# EAGLE board working (EAGLE 9.6.2), part 21 of 28
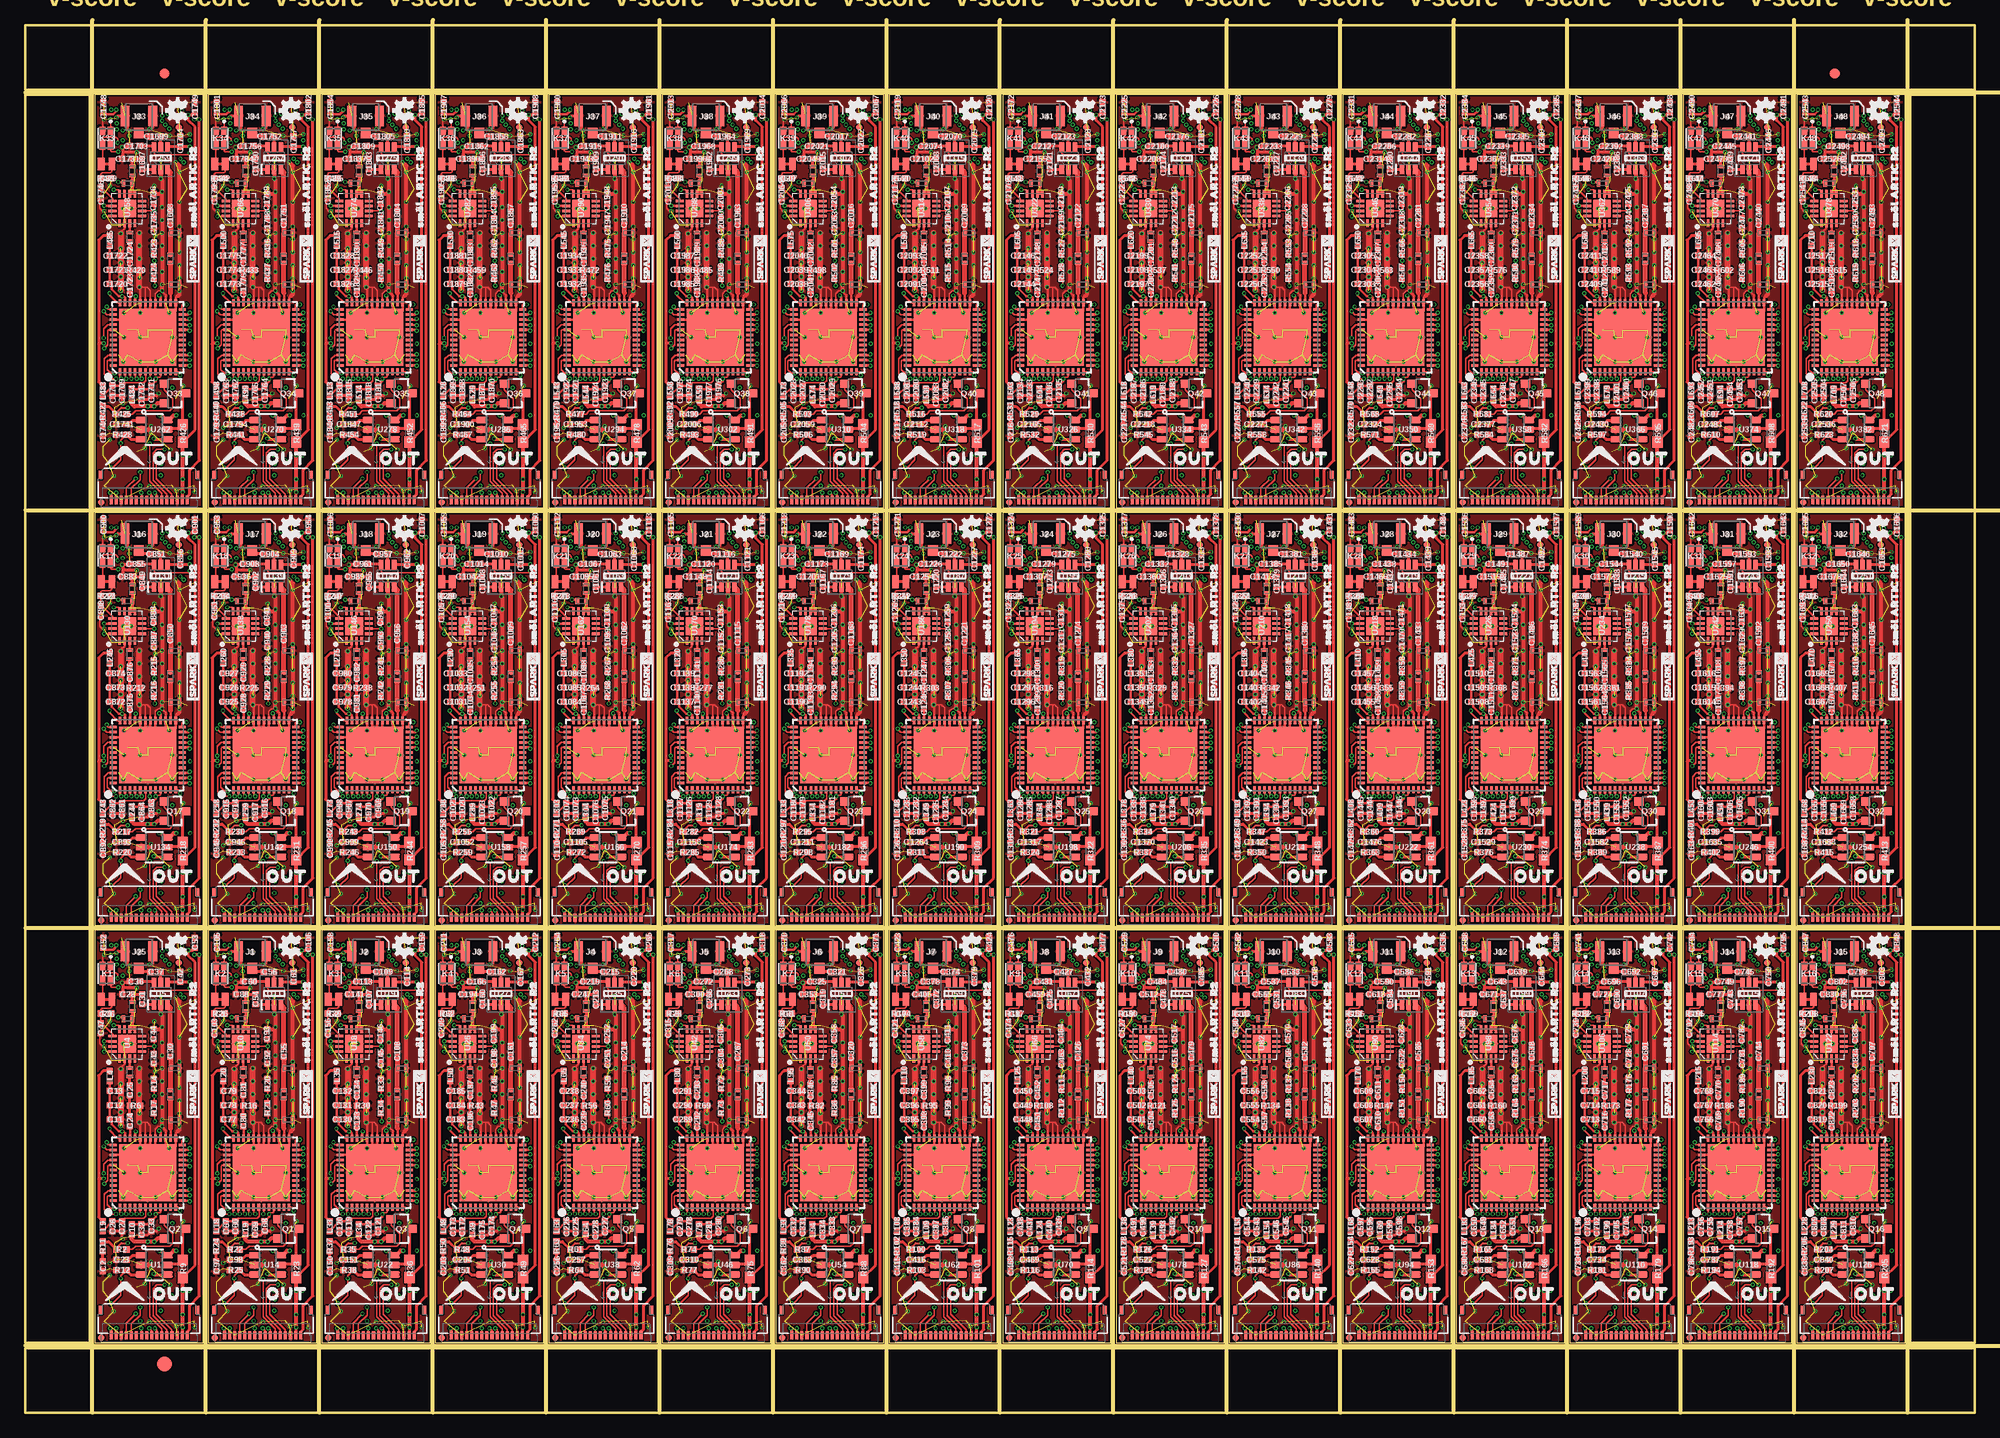
[diagram p0: board, top side]
## Tracks (layer width: path | path; a pad name or v marks a point on that pad's centre or on a via) (continued)
N$310 (continued)
  Top 0.508: C585.1 137.22,39.87 U91.3
N$311
  Top 0.305: U91.5 136.27,43.43 C586.2
N$312  (via drill 0.2)
  Top 0.254: U89.24 138.4,26.77 138.49,26.86 v138.81,26.86
  Bottom 0.305: C593.1 137.41,27.63 137.41,27.42 137.85,26.99 L166.1 v138.81,26.86 138.81,27.44 C592.1
N$313  (via drill 0.2)
  Top 0.254: U89.23 138.88,25.87 138.88,25.88 138.97,25.88 v139.13,26.04
  Bottom 0.305: L167.1 138.43,25.84 138.62,26.04 v139.13,26.04
  Bottom 0.406: C594.1 C595.1 L167.1
N$314
  Top 0.152: U89.6 134.8,20.17 134.8,19.34 134.6,19.14 132.75,19.14 C596.1 | L168.1 130.56,17.88 131.51,18.83 C597.1
  Top 0.254: C597.1 C596.1
N$315  (via drill 0.2)
  Top 0.152: v135.76,19.56 135.76,19.62 135.81,19.67 136.15,19.67 136.25,19.77 U89.9
  Top 0.254: L169.1 C599.1 135,18.53 C598.1 135.76,19.3 v135.76,19.56
  Bottom 0.152: v135.76,19.56 135,18.8 R144.1 R145.2
N$316  (via drill 0.2)
  Top 0.254: U89.35 132.75,27.53 132.59,27.69 v132.46,27.69 132.14,27.69 131.45,28.38 131.45,28.7 C607.1 C608.1 C609.1 L170.1 | U89.28 136.25,27.62 v136.12,27.75 | U89.33 133.75,27.63 v133.81,27.69
  Bottom 0.254: v136.12,27.75 136.06,27.69 v133.81,27.69 v132.46,27.69
N$317  (via drill 0.2)
  Top 0.152: U89.36 131.99,27.02 131.23,27.79 v131.23,27.98
  Bottom 0.254: L171.1 131.57,28.32 v131.23,27.98 131.23,27.96 131.75,27.43 C601.1 131.77,27.3 132.22,26.86 C600.1
N$318  (via drill 0.2)
  Top 0.127: U89.41 131.13,24.37 131.04,24.28 131.04,22.89 v130.7,22.54
  Bottom 0.152: v130.7,22.54 130.7,21.96 R146.1
N$319  (via drill 0.2)
  Top 0.152: U89.40 131.04,24.87 130.65,24.48 v130.65,23.56
  Bottom 0.152: v130.65,23.56 131.44,23.56 C602.1 C603.1 L172.1
N$320  (via drill 0.2)
  Top 0.152: v130.94,26.63 130.94,26.53 131.09,26.37 U89.37
  Bottom 0.152: v130.94,26.63 131.44,26.12 131.95,26.12 132.43,25.64 132.69,25.64 X12.4 134.02,25.3 C605.1 C604.1
N$321
  Bottom 0.152: C606.1 130.71,24.48 131.53,25.3 X12.3
N$322  (via drill 0.2)
  Top 0.152: U89.38 130.94,25.87 130.65,26.17 v130.65,26.21
  Bottom 0.152: v130.65,26.21 130.62,26.18 C606.2
N$323
  Top 0.254: U89.34 133.25,28.17 C610.1
N$324
  Top 0.254: R147.2 | 133.23,31.24 C611.1
  Top 0.305: C610.2 R147.2 | R147.2 133.23,31.24
N$325  (via drill 0.2)
  Top 0.254: v130.68,36.58 U90.14
  Bottom 0.254: L174.P$2 130.7,36.59 v130.68,36.58
N$326
  Bottom 0.254: C616.1 C615.1 R149.1 131.97,37.45 L174.P$1
N$327
  Top 0.305: C611.2 L173.P$1
N$328
  Top 0.254: L173.P$2 U90.3
N$329
  Top 0.254: U90.10 133.48,37.77 U90.9
  Top 0.305: 133.48,38.79 L175.P$2 | 133.48,38.79 133.48,37.77 | L176.P$1 133.48,38.79
N$330
  Top 0.254: C617.P$1 137.24,30.96 137.22,30.94 137.23,30.93 137.24,30.93 | 137.25,28.81 L177.P$2 arc-45 L177.P$2 | U89.26 137.25,27.99 137.24,28
  Top 0.508: 137.24,28 L177.P$2 | L177.P$2 137.23,30.93
N$331  (via drill 0.2)
  Top 0.254: U89.20 139.01,24.37 v139.13,24.26
  Bottom 0.152: C624.1 138.43,22.41 139.44,22.41 139.57,22.54 139.57,23.81 v139.13,24.26
  Bottom 0.254: C624.1 C625.1 L179.1
N$332
  Top 0.305: U94.5 137,14.61 138.03,14.61 R153.1 138.43,17.82 Q12.3
N$333
  Top 0.152: R152.1 133.48,16.07 133.79,16.38 137.16,16.38 137.48,16.7 137.48,17.59 136.6,18.46 Q12.1
N$334  (via drill 0.2)
  Top 0.203: R152.2 131.9,16.2 132.4,16.7 v133.02,16.7
  Top 0.305: v135.57,13.65 135.63,13.59 U94.4 | R154.1 130.61,16.83 131.14,16.83 R152.2
  Bottom 0.203: v135.57,13.65 135.25,13.65 134.49,14.41 134.49,16.32 134.11,16.7 v133.02,16.7
N$335
  Top 0.305: C627.1 R154.2
  Top 0.406: 130.55,15.88 R154.2
N$336
  Top 0.305: U94.1 134.28,15.43 133.47,15.43 133.09,15.05 C628.1
N$337
  Top 0.305: C637.1 146.77,40.2 U99.1
N$338
  Top 0.508: C638.1 148.4,39.87 U99.3
N$339
  Top 0.305: U99.5 147.45,43.43 C639.2
N$340  (via drill 0.2)
  Top 0.254: U97.24 149.58,26.77 149.67,26.86 v149.99,26.86
  Bottom 0.305: C646.1 148.59,27.63 148.59,27.42 149.03,26.99 L181.1 v149.99,26.86 149.99,27.44 C645.1
N$341  (via drill 0.2)
  Top 0.254: U97.23 150.05,25.87 150.06,25.88 150.15,25.88 v150.3,26.04
  Bottom 0.305: L182.1 149.61,25.84 149.8,26.04 v150.3,26.04
  Bottom 0.406: C647.1 C648.1 L182.1
N$342
  Top 0.152: U97.6 145.98,20.17 145.98,19.34 145.78,19.14 143.93,19.14 C649.1 | L183.1 141.73,17.88 142.69,18.83 C650.1
  Top 0.254: C650.1 C649.1
N$343  (via drill 0.2)
  Top 0.152: v146.94,19.56 146.94,19.62 146.99,19.67 147.33,19.67 147.43,19.77 U97.9
  Top 0.254: L184.1 C652.1 146.18,18.53 C651.1 146.94,19.3 v146.94,19.56
  Bottom 0.152: v146.94,19.56 146.18,18.8 R157.1 R158.2
N$344  (via drill 0.2)
  Top 0.254: U97.35 143.93,27.53 143.76,27.69 v143.64,27.69 143.32,27.69 142.63,28.38 142.63,28.7 C660.1 C661.1 C662.1 L185.1 | U97.28 147.43,27.62 v147.3,27.75 | U97.33 144.93,27.63 v144.98,27.69
  Bottom 0.254: v147.3,27.75 147.24,27.69 v144.98,27.69 v143.64,27.69
N$345  (via drill 0.2)
  Top 0.152: U97.36 143.17,27.02 142.4,27.79 v142.4,27.98
  Bottom 0.254: L186.1 142.75,28.32 v142.4,27.98 142.4,27.96 142.93,27.43 C654.1 142.95,27.3 143.39,26.86 C653.1
N$346  (via drill 0.2)
  Top 0.127: U97.41 142.3,24.37 142.22,24.28 142.22,22.89 v141.87,22.54
  Bottom 0.152: v141.87,22.54 141.87,21.96 R159.1
N$347  (via drill 0.2)
  Top 0.152: U97.40 142.22,24.87 141.82,24.48 v141.82,23.56
  Bottom 0.152: v141.82,23.56 142.61,23.56 C655.1 C656.1 L187.1
N$348  (via drill 0.2)
  Top 0.152: v142.11,26.63 142.11,26.53 142.27,26.37 U97.37
  Bottom 0.152: v142.11,26.63 142.62,26.12 143.13,26.12 143.6,25.64 143.87,25.64 X13.4 145.2,25.3 C658.1 C657.1
N$349
  Bottom 0.152: C659.1 141.88,24.48 142.71,25.3 X13.3
N$350  (via drill 0.2)
  Top 0.152: U97.38 142.12,25.87 141.82,26.17 v141.82,26.21
  Bottom 0.152: v141.82,26.21 141.8,26.18 C659.2
N$351
  Top 0.254: U97.34 144.43,28.17 C663.1
N$352
  Top 0.254: R160.2 | C664.1
  Top 0.305: C663.2 R160.2 | R160.2 C664.1
N$353  (via drill 0.2)
  Top 0.254: v141.86,36.58 U98.14
  Bottom 0.254: L189.P$2 141.87,36.59 v141.86,36.58
N$354
  Bottom 0.254: C669.1 C668.1 R162.1 143.15,37.45 L189.P$1
N$355
  Top 0.305: C664.2 L188.P$1
N$356
  Top 0.254: L188.P$2 U98.3
N$357
  Top 0.254: U98.10 144.65,37.77 U98.9
  Top 0.305: 144.65,38.79 L190.P$2 | 144.65,38.79 144.65,37.77 | L191.P$1 144.65,38.79
N$358
  Top 0.254: C670.P$1 148.41,30.96 148.4,30.94 148.41,30.93 | 148.43,28.81 L192.P$2 arc-45 L192.P$2 | U97.26 148.43,27.99 148.41,28
  Top 0.508: 148.41,28 L192.P$2 | L192.P$2 148.41,30.93
N$359  (via drill 0.2)
  Top 0.254: U97.20 150.19,24.37 v150.3,24.26
  Bottom 0.152: C677.1 149.61,22.41 150.61,22.41 150.75,22.54 150.75,23.81 v150.3,24.26
  Bottom 0.254: C677.1 C678.1 L194.1
N$360
  Top 0.305: U102.5 148.18,14.61 149.2,14.61 R166.1 149.61,17.82 Q13.3
N$361
  Top 0.152: R165.1 144.65,16.07 144.97,16.38 148.34,16.38 148.65,16.7 148.65,17.59 147.78,18.46 Q13.1
N$362  (via drill 0.2)
  Top 0.203: R165.2 143.07,16.2 143.57,16.7 v144.2,16.7
  Top 0.305: v146.75,13.65 146.81,13.59 U102.4 | R167.1 141.79,16.83 142.31,16.83 R165.2
  Bottom 0.203: v146.75,13.65 146.43,13.65 145.67,14.41 145.67,16.32 145.29,16.7 v144.2,16.7
N$363
  Top 0.305: C680.1 R167.2
  Top 0.406: 141.72,15.88 R167.2
N$364
  Top 0.305: U102.1 145.45,15.43 144.65,15.43 144.26,15.05 C681.1
N$365
  Top 0.305: C690.1 157.94,40.2 U107.1
N$366
  Top 0.508: C691.1 159.58,39.87 U107.3
N$367
  Top 0.305: U107.5 158.62,43.43 C692.2
N$368  (via drill 0.2)
  Top 0.254: U105.24 160.75,26.77 160.85,26.86 v161.16,26.86
  Bottom 0.305: C699.1 159.77,27.63 159.77,27.42 160.2,26.99 L196.1 v161.16,26.86 161.16,27.44 C698.1
N$369  (via drill 0.2)
  Top 0.254: U105.23 161.23,25.87 161.23,25.88 161.32,25.88 v161.48,26.04
  Bottom 0.305: L197.1 160.78,25.84 160.97,26.04 v161.48,26.04
  Bottom 0.406: C700.1 C701.1 L197.1
N$370
  Top 0.152: U105.6 157.15,20.17 157.15,19.34 156.95,19.14 155.1,19.14 C702.1 | L198.1 152.91,17.88 153.86,18.83 C703.1
  Top 0.254: C703.1 C702.1
N$371  (via drill 0.2)
  Top 0.152: v158.12,19.56 158.12,19.62 158.16,19.67 158.5,19.67 158.6,19.77 U105.9
  Top 0.254: L199.1 C705.1 157.35,18.53 C704.1 158.12,19.3 v158.12,19.56
  Bottom 0.152: v158.12,19.56 157.36,18.8 R170.1 R171.2
N$372  (via drill 0.2)
  Top 0.254: U105.35 155.1,27.53 154.94,27.69 v154.81,27.69 154.49,27.69 153.81,28.38 153.81,28.7 C713.1 C714.1 C715.1 L200.1 | U105.28 158.6,27.62 v158.48,27.75 | U105.33 156.1,27.63 v156.16,27.69
  Bottom 0.254: v158.48,27.75 158.41,27.69 v156.16,27.69 v154.81,27.69
N$373  (via drill 0.2)
  Top 0.152: U105.36 154.34,27.02 153.58,27.79 v153.58,27.98
  Bottom 0.254: L201.1 153.92,28.32 v153.58,27.98 153.58,27.96 154.11,27.43 C707.1 154.12,27.3 154.57,26.86 C706.1
N$374  (via drill 0.2)
  Top 0.127: U105.41 153.48,24.37 153.39,24.28 153.39,22.89 v153.05,22.54
  Bottom 0.152: v153.05,22.54 153.05,21.96 R172.1
N$375  (via drill 0.2)
  Top 0.152: U105.40 153.4,24.87 153,24.48 v153,23.56
  Bottom 0.152: v153,23.56 153.79,23.56 C708.1 C709.1 L202.1
N$376  (via drill 0.2)
  Top 0.152: v153.29,26.63 153.29,26.53 153.44,26.37 U105.37
  Bottom 0.152: v153.29,26.63 153.8,26.12 154.3,26.12 154.78,25.64 155.05,25.64 X14.4 156.38,25.3 C711.1 C710.1
N$377
  Bottom 0.152: C712.1 153.06,24.48 153.88,25.3 X14.3
N$378  (via drill 0.2)
  Top 0.152: U105.38 153.3,25.87 153,26.17 v153,26.21
  Bottom 0.152: v153,26.21 152.97,26.18 C712.2
N$379
  Top 0.254: U105.34 155.6,28.17 C716.1
N$380
  Top 0.254: R173.2 | C717.1
  Top 0.305: C716.2 R173.2 | R173.2 C717.1
N$381  (via drill 0.2)
  Top 0.254: v153.03,36.58 U106.14
  Bottom 0.254: L204.P$2 153.05,36.59 v153.03,36.58
N$382
  Bottom 0.254: C722.1 C721.1 R175.1 154.33,37.45 L204.P$1
N$383
  Top 0.305: C717.2 L203.P$1
N$384
  Top 0.254: L203.P$2 U106.3
N$385
  Top 0.254: U106.10 155.83,37.77 U106.9
  Top 0.305: 155.83,38.79 L205.P$2 | 155.83,38.79 155.83,37.77 | L206.P$1 155.83,38.79
N$386
  Top 0.254: C723.P$1 159.59,30.96 159.58,30.94 159.59,30.93 | 159.6,28.81 L207.P$2 arc-45 L207.P$2 | U105.26 159.6,27.99 159.59,28
  Top 0.508: 159.59,28 L207.P$2 | L207.P$2 159.59,30.93
N$387  (via drill 0.2)
  Top 0.254: U105.20 161.37,24.37 v161.48,24.26
  Bottom 0.152: C730.1 160.78,22.41 161.79,22.41 161.93,22.54 161.93,23.81 v161.48,24.26
  Bottom 0.254: C730.1 C731.1 L209.1
N$388
  Top 0.305: U110.5 159.35,14.61 160.38,14.61 R179.1 160.78,17.82 Q14.3
N$389
  Top 0.152: R178.1 155.83,16.07 156.15,16.38 159.51,16.38 159.83,16.7 159.83,17.59 158.96,18.46 Q14.1
N$390  (via drill 0.2)
  Top 0.203: R178.2 154.25,16.2 154.75,16.7 v155.37,16.7
  Top 0.305: v157.92,13.65 157.99,13.59 U110.4 | R180.1 152.96,16.83 153.49,16.83 R178.2
  Bottom 0.203: v157.92,13.65 157.61,13.65 156.84,14.41 156.84,16.32 156.46,16.7 v155.37,16.7
N$391
  Top 0.305: C733.1 R180.2
  Top 0.406: 152.9,15.88 R180.2
N$392
  Top 0.305: U110.1 156.63,15.43 155.82,15.43 155.44,15.05 C734.1
N$393
  Top 0.305: C743.1 169.12,40.2 U115.1
N$394
  Top 0.508: C744.1 170.75,39.87 U115.3
N$395
  Top 0.305: U115.5 169.8,43.43 C745.2
N$396  (via drill 0.2)
  Top 0.254: U113.24 171.93,26.77 172.02,26.86 v172.34,26.86
  Bottom 0.305: C752.1 170.94,27.63 170.94,27.42 171.38,26.99 L211.1 v172.34,26.86 172.34,27.44 C751.1
N$397  (via drill 0.2)
  Top 0.254: U113.23 172.4,25.87 172.41,25.88 172.5,25.88 v172.66,26.04
  Bottom 0.305: L212.1 171.96,25.84 172.15,26.04 v172.66,26.04
  Bottom 0.406: C753.1 C754.1 L212.1
N$398
  Top 0.152: U113.6 168.33,20.17 168.33,19.34 168.13,19.14 166.28,19.14 C755.1 | L213.1 164.08,17.88 165.04,18.83 C756.1
  Top 0.254: C756.1 C755.1
N$399  (via drill 0.2)
  Top 0.152: v169.29,19.56 169.29,19.62 169.34,19.67 169.68,19.67 169.78,19.77 U113.9
  Top 0.254: L214.1 C758.1 168.53,18.53 C757.1 169.29,19.3 v169.29,19.56
  Bottom 0.152: v169.29,19.56 168.53,18.8 R183.1 R184.2
N$400  (via drill 0.2)
  Top 0.254: U113.35 166.28,27.53 166.12,27.69 v165.99,27.69 165.67,27.69 164.98,28.38 164.98,28.7 C766.1 C767.1 C768.1 164.79,32.64 L215.1 | U113.28 169.78,27.62 v169.65,27.75 | U113.33 167.28,27.63 v167.34,27.69
  Bottom 0.254: v169.65,27.75 169.59,27.69 v167.34,27.69 v165.99,27.69
N$401  (via drill 0.2)
  Top 0.152: U113.36 165.52,27.02 164.75,27.79 v164.75,27.98
  Bottom 0.254: L216.1 165.1,28.32 v164.75,27.98 164.75,27.96 165.28,27.43 C760.1 165.3,27.3 165.74,26.86 C759.1
N$402  (via drill 0.2)
  Top 0.127: U113.41 164.66,24.37 164.57,24.28 164.57,22.89 v164.22,22.54
  Bottom 0.152: v164.22,22.54 164.22,21.96 R185.1
N$403  (via drill 0.2)
  Top 0.152: U113.40 164.57,24.87 164.18,24.48 v164.18,23.56
  Bottom 0.152: v164.18,23.56 164.97,23.56 C761.1 C762.1 L217.1
N$404  (via drill 0.2)
  Top 0.152: v164.47,26.63 164.47,26.53 164.62,26.37 U113.37
  Bottom 0.152: v164.47,26.63 164.97,26.12 165.48,26.12 165.95,25.64 166.22,25.64 X15.4 167.55,25.3 C764.1 C763.1
N$405
  Bottom 0.152: C765.1 164.24,24.48 165.06,25.3 X15.3
N$406  (via drill 0.2)
  Top 0.152: U113.38 164.47,25.87 164.17,26.17 v164.17,26.21
  Bottom 0.152: v164.17,26.21 164.15,26.18 C765.2
N$407
  Top 0.254: U113.34 166.78,28.17 C769.1
N$408
  Top 0.254: R186.2 | 166.76,31.24 C770.1
  Top 0.305: C769.2 R186.2 | R186.2 166.76,31.24
N$409  (via drill 0.2)
  Top 0.254: v164.21,36.58 U114.14
  Bottom 0.254: L219.P$2 164.22,36.59 v164.21,36.58
N$410
  Bottom 0.254: C775.1 C774.1 R188.1 165.5,37.45 L219.P$1
N$411
  Top 0.305: C770.2 L218.P$1
N$412
  Top 0.254: L218.P$2 U114.3
N$413
  Top 0.254: U114.10 167,37.77 U114.9
  Top 0.305: 167,38.79 L220.P$2 | 167,38.79 167,37.77 | L221.P$1 167,38.79
N$414
  Top 0.254: C776.P$1 170.76,30.96 170.75,30.94 170.76,30.93 | 170.78,28.81 L222.P$2 arc-45 L222.P$2 | U113.26 170.78,27.99 170.76,28
  Top 0.508: 170.76,28 L222.P$2 | L222.P$2 170.76,30.93
N$415  (via drill 0.2)
  Top 0.254: U113.20 172.54,24.37 v172.66,24.26
  Bottom 0.152: C783.1 171.96,22.41 172.97,22.41 173.1,22.54 173.1,23.81 v172.66,24.26
  Bottom 0.254: C783.1 C784.1 L224.1
N$416
  Top 0.305: U118.5 170.53,14.61 171.55,14.61 R192.1 171.96,17.82 Q15.3
N$417
  Top 0.152: R191.1 167,16.07 167.32,16.38 170.69,16.38 171.01,16.7 171.01,17.59 170.13,18.46 Q15.1
N$418  (via drill 0.2)
  Top 0.203: R191.2 165.43,16.2 165.93,16.7 v166.55,16.7
  Top 0.305: v169.1,13.65 169.16,13.59 U118.4 | R193.1 164.14,16.83 164.66,16.83 R191.2
  Bottom 0.203: v169.1,13.65 168.78,13.65 168.02,14.41 168.02,16.32 167.64,16.7 v166.55,16.7
N$419
  Top 0.305: C786.1 R193.2
  Top 0.406: 164.08,15.88 R193.2
N$420
  Top 0.305: U118.1 167.8,15.43 167,15.43 166.62,15.05 C787.1
N$421
  Top 0.305: C796.1 180.3,40.2 U123.1
N$422
  Top 0.508: C797.1 181.93,39.87 U123.3
N$423
  Top 0.305: U123.5 180.97,43.43 C798.2
N$424  (via drill 0.2)
  Top 0.254: U121.24 183.11,26.77 183.2,26.86 v183.52,26.86
  Bottom 0.305: C805.1 182.12,27.63 182.12,27.42 182.55,26.99 L226.1 v183.52,26.86 183.52,27.44 C804.1
N$425  (via drill 0.2)
  Top 0.254: U121.23 183.58,25.87 183.59,25.88 183.68,25.88 v183.83,26.04
  Bottom 0.305: L227.1 183.13,25.84 183.32,26.04 v183.83,26.04
  Bottom 0.406: C806.1 C807.1 L227.1
N$426
  Top 0.152: U121.6 179.51,20.17 179.51,19.34 179.31,19.14 177.45,19.14 C808.1 | L228.1 175.26,17.88 176.21,18.83 C809.1
  Top 0.254: C809.1 C808.1
N$427  (via drill 0.2)
  Top 0.152: v180.47,19.56 180.47,19.62 180.52,19.67 180.86,19.67 180.96,19.77 U121.9
  Top 0.254: L229.1 C811.1 179.71,18.53 C810.1 180.47,19.3 v180.47,19.56
  Bottom 0.152: v180.47,19.56 179.71,18.8 R196.1 R197.2
N$428  (via drill 0.2)
  Top 0.254: U121.35 177.46,27.53 177.29,27.69 v177.16,27.69 176.85,27.69 176.16,28.38 176.16,28.7 C819.1 C820.1 C821.1 L230.1 | U121.28 180.96,27.62 v180.83,27.75 | U121.33 178.46,27.63 v178.51,27.69
  Bottom 0.254: v180.83,27.75 180.77,27.69 v178.51,27.69 v177.16,27.69
N$429  (via drill 0.2)
  Top 0.152: U121.36 176.69,27.02 175.93,27.79 v175.93,27.98
  Bottom 0.254: L231.1 176.28,28.32 v175.93,27.98 175.93,27.96 176.46,27.43 C813.1 176.47,27.3 176.92,26.86 C812.1
N$430  (via drill 0.2)
  Top 0.127: U121.41 175.83,24.37 175.74,24.28 175.74,22.89 v175.4,22.54
  Bottom 0.152: v175.4,22.54 175.4,21.96 R198.1
N$431  (via drill 0.2)
  Top 0.152: U121.40 175.75,24.87 175.35,24.48 v175.35,23.56
  Bottom 0.152: v175.35,23.56 176.14,23.56 C814.1 C815.1 L232.1
N$432  (via drill 0.2)
  Top 0.152: v175.64,26.63 175.64,26.53 175.8,26.37 U121.37
  Bottom 0.152: v175.64,26.63 176.15,26.12 176.66,26.12 177.13,25.64 177.4,25.64 X16.4 178.73,25.3 C817.1 C816.1
N$433
  Bottom 0.152: C818.1 175.41,24.48 176.24,25.3 X16.3
N$434  (via drill 0.2)
  Top 0.152: U121.38 175.65,25.87 175.35,26.17 v175.35,26.21
  Bottom 0.152: v175.35,26.21 175.32,26.18 C818.2
N$435
  Top 0.254: U121.34 177.96,28.17 C822.1
N$436
  Top 0.254: 177.93,30.22 R199.2 | C823.1
  Top 0.305: C822.2 177.93,30.22 | R199.2 C823.1
N$437  (via drill 0.2)
  Top 0.254: v175.39,36.58 U122.14
  Bottom 0.254: L234.P$2 175.4,36.59 v175.39,36.58
N$438
  Bottom 0.254: C828.1 C827.1 R201.1 176.68,37.45 L234.P$1
N$439
  Top 0.305: C823.2 L233.P$1
N$440
  Top 0.254: L233.P$2 U122.3
N$441
  Top 0.254: U122.10 178.18,37.77 U122.9
  Top 0.305: 178.18,38.79 L235.P$2 | 178.18,38.79 178.18,37.77 | L236.P$1 178.18,38.79
N$442
  Top 0.254: C829.P$1 181.94,30.96 181.93,30.94 181.94,30.93 | 181.96,28.81 L237.P$2 arc-45 L237.P$2 | U121.26 181.96,27.99 181.94,28
  Top 0.508: 181.94,28 L237.P$2 | L237.P$2 181.94,30.93
N$443  (via drill 0.2)
  Top 0.254: U121.20 183.72,24.37 v183.83,24.26
  Bottom 0.152: C836.1 183.13,22.41 184.14,22.41 184.28,22.54 184.28,23.81 v183.83,24.26
  Bottom 0.254: C836.1 C837.1 L239.1
N$444
  Top 0.305: U126.5 181.7,14.61 182.73,14.61 R205.1 183.13,17.82 Q16.3
N$445
  Top 0.152: R204.1 178.18,16.07 178.5,16.38 181.86,16.38 182.18,16.7 182.18,17.59 181.31,18.46 Q16.1
N$446  (via drill 0.2)
  Top 0.203: R204.2 176.6,16.2 177.1,16.7 v177.72,16.7
  Top 0.305: v180.28,13.65 180.34,13.59 U126.4 | R206.1 175.32,16.83 175.84,16.83 R204.2
  Bottom 0.203: v180.28,13.65 179.96,13.65 179.2,14.41 179.2,16.32 178.82,16.7 v177.72,16.7
N$447
  Top 0.305: C839.1 R206.2
  Top 0.406: 175.25,15.88 R206.2
N$448
  Top 0.305: U126.1 178.98,15.43 178.17,15.43 177.79,15.05 C840.1
N$449
  Top 0.305: C849.1 12.66,81.35 U131.1
N$450
  Top 0.508: C850.1 14.29,81.02 U131.3
N$451
  Top 0.305: U131.5 C851.2
N$452  (via drill 0.2)
  Top 0.254: U129.24 15.46,67.92 15.56,68.01 v15.88,68.01
  Bottom 0.305: C858.1 14.48,68.78 14.48,68.57 14.91,68.14 L241.1 v15.88,68.01 15.88,68.59 C857.1
N$453  (via drill 0.2)
  Top 0.254: U129.23 15.94,67.02 15.95,67.03 16.04,67.03 v16.19,67.18
  Bottom 0.305: L242.1 15.49,66.99 15.68,67.18 v16.19,67.18
  Bottom 0.406: C859.1 C860.1 L242.1
N$454
  Top 0.152: U129.6 11.87,61.32 11.87,60.49 11.67,60.29 9.81,60.29 C861.1 | L243.1 7.62,59.02 8.57,59.98 C862.1
  Top 0.254: C862.1 C861.1
N$455  (via drill 0.2)
  Top 0.152: v12.83,60.7 12.83,60.77 12.88,60.82 13.21,60.82 13.31,60.92 U129.9
  Top 0.254: L244.1 C864.1 12.06,59.68 C863.1 12.83,60.44 v12.83,60.7
  Bottom 0.152: v12.83,60.7 12.07,59.94 R209.1 R210.2
N$456  (via drill 0.2)
  Top 0.254: U129.35 9.81,68.67 9.65,68.84 v9.52,68.84 9.21,68.84 8.52,69.52 8.52,69.85 C872.1 C873.1 C874.1 L245.1 | U129.28 13.31,68.77 v13.19,68.9 | U129.33 10.81,68.78 v10.87,68.84
  Bottom 0.254: v13.19,68.9 13.13,68.84 v10.87,68.84 v9.52,68.84
N$457  (via drill 0.2)
  Top 0.152: U129.36 9.05,68.17 8.29,68.93 v8.29,69.12
  Bottom 0.254: L246.1 8.64,69.47 v8.29,69.12 8.29,69.11 8.82,68.58 C866.1 8.83,68.45 9.28,68.01 C865.1
N$458  (via drill 0.2)
  Top 0.127: U129.41 8.19,65.52 8.1,65.43 8.1,64.03 v7.76,63.69
  Bottom 0.152: v7.76,63.69 7.76,63.11 R211.1
N$459  (via drill 0.2)
  Top 0.152: U129.40 8.11,66.02 7.71,65.62 v7.71,64.71
  Bottom 0.152: v7.71,64.71 8.5,64.71 C867.1 C868.1 L247.1
N$460  (via drill 0.2)
  Top 0.152: v8,67.77 8,67.68 8.16,67.52 U129.37
  Bottom 0.152: v8,67.77 8.51,67.27 9.02,67.27 9.49,66.79 9.76,66.79 X17.4 11.09,66.45 C870.1 C869.1
N$461
  Bottom 0.152: C871.1 7.77,65.63 8.59,66.45 X17.3
N$462  (via drill 0.2)
  Top 0.152: U129.38 8.01,67.02 7.71,67.32 v7.71,67.36
  Bottom 0.152: v7.71,67.36 7.68,67.33 C871.2
N$463
  Top 0.254: U129.34 10.31,69.32 C875.1
N$464
  Top 0.254: 10.29,71.37 R212.2 | C876.1
  Top 0.305: C875.2 10.29,71.37 | R212.2 C876.1
N$465  (via drill 0.2)
  Top 0.254: v7.75,77.72 U130.14
  Bottom 0.254: L249.P$2 7.76,77.74 v7.75,77.72
N$466
  Bottom 0.254: C881.1 C880.1 R214.1 9.04,78.6 L249.P$1
N$467
  Top 0.305: C876.2 L248.P$1
N$468
  Top 0.254: L248.P$2 U130.3
N$469
  Top 0.254: U130.10 10.54,78.92 U130.9
  Top 0.305: 10.54,79.93 L250.P$2 | 10.54,79.93 10.54,78.92 | L251.P$1 10.54,79.93
N$470
  Top 0.254: C882.P$1 14.3,72.1 14.29,72.09 14.3,72.08 | 14.31,69.96 L252.P$2 arc-45 L252.P$2 | U129.26 14.31,69.14 14.3,69.15
  Top 0.508: 14.3,69.15 L252.P$2 | L252.P$2 14.3,72.08
N$471  (via drill 0.2)
  Top 0.254: U129.20 16.08,65.52 v16.19,65.41
  Bottom 0.152: C889.1 15.49,63.55 16.5,63.55 16.64,63.69 16.64,64.96 v16.19,65.41
  Bottom 0.254: C889.1 C890.1 L254.1
N$472
  Top 0.305: U134.5 14.06,55.75 15.09,55.75 R218.1 15.49,58.97 Q17.3
N$473
  Top 0.152: R217.1 10.54,57.21 10.86,57.53 14.22,57.53 14.54,57.85 14.54,58.74 13.67,59.61 Q17.1
N$474  (via drill 0.2)
  Top 0.203: R217.2 8.96,57.35 9.46,57.85 v10.08,57.85
  Top 0.305: v12.64,54.8 12.7,54.74 U134.4 | R219.1 7.68,57.97 8.2,57.97 R217.2
  Bottom 0.203: v12.64,54.8 12.32,54.8 11.56,55.56 11.56,57.47 11.18,57.85 v10.08,57.85
N$475
  Top 0.305: C892.1 R219.2
  Top 0.406: R219.2
N$476
  Top 0.305: U134.1 11.34,56.58 10.53,56.58 10.15,56.2 C893.1
N$477
  Top 0.305: C902.1 23.83,81.35 U139.1
N$478
  Top 0.508: C903.1 25.46,81.02 U139.3
N$479
  Top 0.305: U139.5 24.51,84.57 C904.2
N$480  (via drill 0.2)
  Top 0.254: U137.24 26.64,67.92 26.73,68.01 v27.05,68.01
  Bottom 0.305: C911.1 25.65,68.78 25.65,68.57 26.09,68.14 L256.1 v27.05,68.01 27.05,68.59 C910.1
N$481  (via drill 0.2)
  Top 0.254: U137.23 27.12,67.02 27.12,67.03 27.21,67.03 v27.37,67.18
  Bottom 0.305: L257.1 26.67,66.99 26.86,67.18 v27.37,67.18
  Bottom 0.406: C912.1 C913.1 L257.1
N$482
  Top 0.152: U137.6 23.04,61.32 23.04,60.49 22.84,60.29 20.99,60.29 C914.1 | L258.1 18.8,59.02 19.75,59.98 C915.1
  Top 0.254: C915.1 C914.1
N$483  (via drill 0.2)
  Top 0.152: v24,60.7 24,60.77 24.05,60.82 24.39,60.82 24.49,60.92 U137.9
  Top 0.254: L259.1 C917.1 23.24,59.68 C916.1 24,60.44 v24,60.7
  Bottom 0.152: v24,60.7 23.24,59.94 R222.1 R223.2
N$484  (via drill 0.2)
  Top 0.254: U137.35 20.99,68.67 20.83,68.84 v20.7,68.84 20.38,68.84 19.69,69.52 19.69,69.85 C925.1 C926.1 C927.1 L260.1 | U137.28 24.49,68.77 v24.37,68.9 | U137.33 21.99,68.78 v22.05,68.84
  Bottom 0.254: v24.37,68.9 24.3,68.84 v22.05,68.84 v20.7,68.84
N$485  (via drill 0.2)
  Top 0.152: U137.36 20.23,68.17 19.47,68.93 v19.47,69.12
  Bottom 0.254: L261.1 19.81,69.47 v19.47,69.12 19.47,69.11 19.99,68.58 C919.1 20.01,68.45 20.45,68.01 C918.1
N$486  (via drill 0.2)
  Top 0.127: U137.41 19.37,65.52 19.28,65.43 19.28,64.03 v18.94,63.69
  Bottom 0.152: v18.94,63.69 18.94,63.11 R224.1
N$487  (via drill 0.2)
  Top 0.152: U137.40 19.28,66.02 18.89,65.62 v18.89,64.71
  Bottom 0.152: v18.89,64.71 19.68,64.71 C920.1 C921.1 L262.1
N$488  (via drill 0.2)
  Top 0.152: v19.18,67.77 19.18,67.68 19.33,67.52 U137.37
  Bottom 0.152: v19.18,67.77 19.68,67.27 20.19,67.27 20.67,66.79 20.93,66.79 X18.4 22.26,66.45 C923.1 C922.1
N$489
  Bottom 0.152: C924.1 18.95,65.63 19.77,66.45 X18.3
N$490  (via drill 0.2)
  Top 0.152: U137.38 19.18,67.02 18.88,67.32 v18.88,67.36
  Bottom 0.152: v18.88,67.36 18.86,67.33 C924.2
N$491
  Top 0.254: U137.34 21.49,69.32 C928.1
N$492
  Top 0.254: 21.46,71.37 R225.2 | C929.1
  Top 0.305: C928.2 21.46,71.37 | R225.2 C929.1
N$493  (via drill 0.2)
  Top 0.254: v18.92,77.72 U138.14
  Bottom 0.254: L264.P$2 18.94,77.74 v18.92,77.72
N$494
  Bottom 0.254: C934.1 C933.1 R227.1 20.21,78.6 L264.P$1
N$495
  Top 0.305: C929.2 L263.P$1
N$496
  Top 0.254: L263.P$2 U138.3
N$497
  Top 0.254: U138.10 21.72,78.92 U138.9
  Top 0.305: 21.72,79.93 L265.P$2 | 21.72,79.93 21.72,78.92 | L266.P$1 21.72,79.93
N$498
  Top 0.254: C935.P$1 25.48,72.1 25.46,72.09 25.47,72.08 25.48,72.08 | 25.49,69.96 L267.P$2 arc-45 L267.P$2 | U137.26 25.49,69.14 25.48,69.15
  Top 0.508: 25.48,69.15 L267.P$2 | L267.P$2 25.47,72.08
N$499  (via drill 0.2)
  Top 0.254: U137.20 27.25,65.52 v27.37,65.41
  Bottom 0.152: C942.1 26.67,63.55 27.68,63.55 27.81,63.69 27.81,64.96 v27.37,65.41
  Bottom 0.254: C942.1 C943.1 L269.1
N$500
  Top 0.305: U142.5 25.24,55.75 26.27,55.75 R231.1 26.67,58.97 Q18.3
N$501
  Top 0.152: R230.1 21.72,57.21 22.04,57.53 25.4,57.53 25.72,57.85 25.72,58.74 24.84,59.61 Q18.1
N$502  (via drill 0.2)
  Top 0.203: R230.2 20.14,57.35 20.64,57.85 v21.26,57.85
  Top 0.305: v23.81,54.8 23.87,54.74 U142.4 | R232.1 18.85,57.97 19.38,57.97 R230.2
  Bottom 0.203: v23.81,54.8 23.5,54.8 22.73,55.56 22.73,57.47 22.35,57.85 v21.26,57.85
N$503
  Top 0.305: C945.1 R232.2
  Top 0.406: R232.2
N$504
  Top 0.305: U142.1 22.52,56.58 21.71,56.58 21.33,56.2 C946.1
N$505
  Top 0.305: C955.1 35.01,81.35 U147.1
N$506
  Top 0.508: C956.1 36.64,81.02 U147.3
N$507
  Top 0.305: U147.5 C957.2
N$508  (via drill 0.2)
  Top 0.254: U145.24 37.82,67.92 37.91,68.01 v38.23,68.01